# Altium PCB DCDCv1.1.PcbDoc (part 5 of 5)
Units mm, origin at the board's own origin, x right, y up, seen from the top; angles counter-clockwise.
Board outline 127.68 x 67.28 mm, 4 copper layers (Top Layer, GND1, GND2, Bottom Layer), stack 0.604 mm thick; 389 components, 257 nets, 1185 pads, 626 vias.
Unrouted connection lines stored in the file: 1.
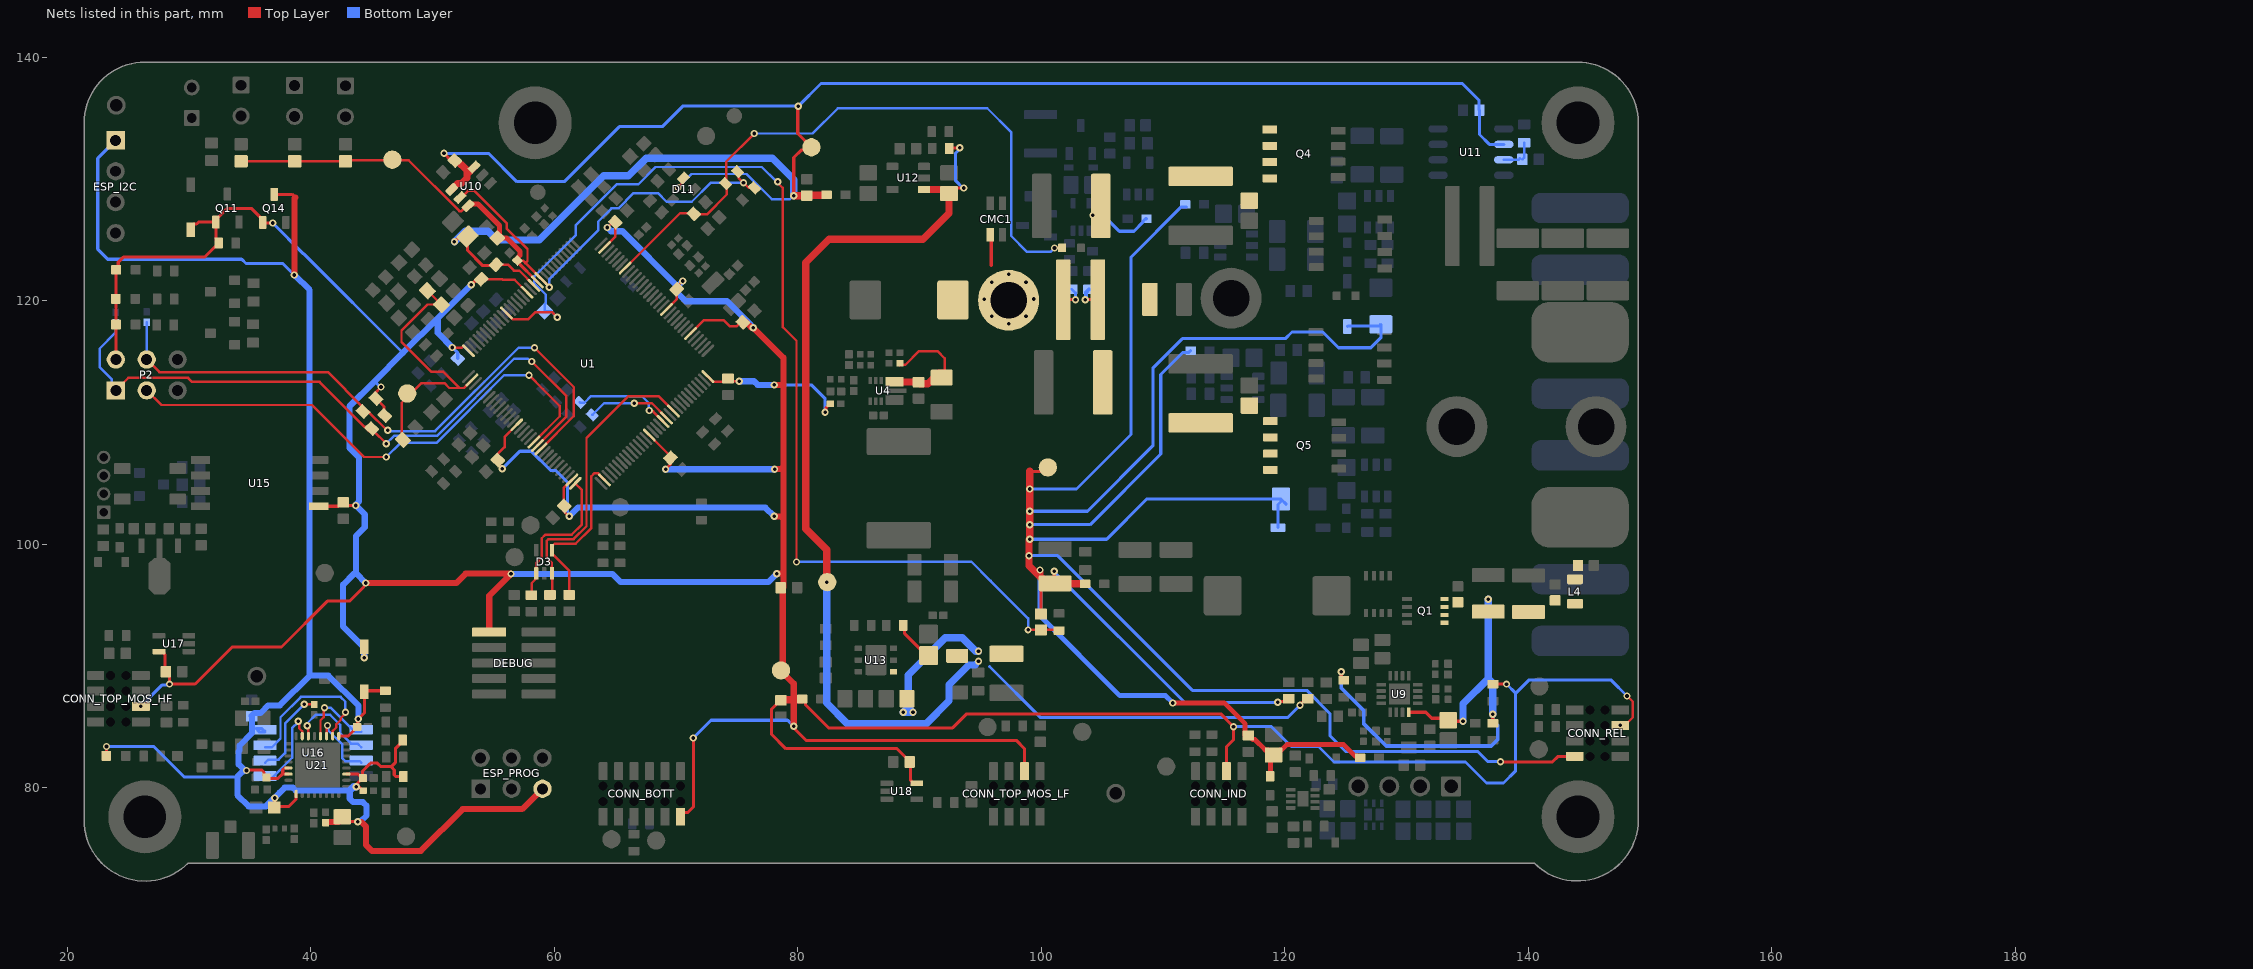
[diagram p7: the nets of this part, all layers, seen from the top]

## Via types
v1: diameter 0.6, hole 0.3, Top Layer to Bottom Layer, tented both sides, 563 vias
v2: diameter 0.6/0.6/0.6/0.6 (per signal layer), hole 0.3, Top Layer to Bottom Layer, tented both sides, 44 vias
v3: diameter 0.6, hole 0.3, Top Layer to Bottom Layer, 19 vias

## Nets (pads, with @x,y where several pads share a name; then routed paths per layer and width w, separated by ;. In a path a pad name is that pad's centre, name@x,y a point inside that pad or via, vN(x,y) a via of type N, cw(c..) or ccw(c..) an arc to the next point about the centre after c; other vN are vias at no path point) (continued)
OPAMP4_VOUT: C100.1 R2.1 R101.1 TP7.1 U1.66 | length 23.2
  Top Layer w0.2: R2.1@47.648,108.673 47.648,108.997 47.475,109.17 47.475,111.633 47.787,111.945 47.79,111.945 49.095,113.25 50.975,113.25 51.378,112.847 52.228,112.847 ; R101.1@49.332,120.838 R101.1@49.583,120.838 C100.1@50.714,119.706 ; C100.1@50.732,119.689 C100.1@50.714,119.706 ; U1.66@53.242,113.501 53.234,113.501 52.58,112.847 52.228,112.847 ; C100.1@50.714,119.706 49.598,119.706 47.455,117.563 47.455,116.633 49.913,114.175 50.9,114.175 52.228,112.847
OPAMP5_INP: C80.2 NTC2.2 R144.1 U1.25 | length 52.9
  Top Layer w0.2: U1.25@65.829,122.694 70.335,127.2 C80.2@71.075,127.2 ; C80.2@71.42,127.095 71.437,127.112 72.537,127.112 74.175,128.75 R144.1@74.175,129.475 ; R144.1@74.155,129.58 74.12,129.615 74.12,131.429 v1(76.44,133.75) ; v1(101.1,124.35) NTC2.2@101.725,124.35 101.725,124.325 NTC2.2@101.5,124.1
  Bottom Layer w0.2: v1(76.44,133.75) 81.225,133.75 83.3,135.825 95.575,135.825 97.525,133.875 97.525,125.35 98.85,124.025 100.775,124.025 v1(101.1,124.35)
REF_I_LLC: C111.2 R63.2 U11.7 | length 2.8
  Bottom Layer w0.203: U11.7@138,131.59 139.206,131.59 C111.2@139.325,131.709 ; C111.2@139.525,131.625 139.675,131.775 R63.2@139.675,133
SDIO_CLK: R93.1 U16.6 | length 7.5
  Top Layer w0.203: v1(39.475,86.875) 39.488,86.862 40.262,86.862 R93.1@40.275,86.85
  Bottom Layer w0.203: U16.6@36.25,82.065 36.512,82.327 37.362,82.327 37.896,82.861 37.896,85.296 v1(39.475,86.875)
SDIO_CMD: U16.1 U21.20 | length 6.3
  Top Layer w0.203: U21.20@40.8,84.25 40.8,85.555 41.049,85.804 41.049,86.499 v1(41.125,86.575)
  Bottom Layer w0.203: v1(41.125,86.575) 41.647,86.575 43.302,84.921 43.302,84.903 43.6,84.605 U16.1@44.15,84.605
SDIO_DATA0: U16.2 U21.22 | length 7.1
  Top Layer w0.203: v1(39.702,85.104) 39.702,84.997 39.799,84.9 39.799,84.251 U21.22@39.8,84.25
  Bottom Layer w0.203: v1@39.712,85.308 40.4,85.996 41.604,85.996 42.425,85.175 42.425,84.5 43.292,83.633 43.852,83.633 U16.2@44.15,83.335
SDIO_DATA1: U16.5 U21.23 | length 7.5
  Top Layer w0.203: v1(38.977,85.479) 39.053,85.403 39.053,84.889 39.291,84.651 39.291,84.259 U21.23@39.3,84.25
  Top Layer w0.254: U21.23@39.298,84.252 U21.23@39.3,84.25 U21.23@39.298,84.252
  Bottom Layer w0.203: U16.5@36.25,80.795 36.8,80.795 38.475,82.47 38.475,84.923 38.977,85.425 v1(38.977,85.479)
SDIO_DATA2: U16.7 U21.18 | length 12.8
  Top Layer w0.203: U21.18@41.8,84.25 41.809,84.259 41.809,84.684 42.1,84.975 42.1,85.225 42.463,85.588 42.463,85.732 42.85,86.119 v1(42.85,86.2)
  Bottom Layer w0.203: U16.7@36.25,83.335 36.8,83.335 37.515,84.05 37.515,85.798 39.192,87.475 42.45,87.475 42.85,87.075 v1(42.85,86.2)
SDIO_DATA3: U16.3 U21.19 | length 5.8
  Top Layer w0.203: U21.19@41.3,84.25 41.3,84.937 41.379,85.016 v1(41.379,85.123)
  Bottom Layer w0.203: v1(41.379,85.123) 41.455,85.048 41.455,84.695 42.6,83.55 42.6,82.425 42.839,82.186 44.029,82.186 U16.3@44.15,82.065
SPI1_MISO: P2.1 R42.2 R105.1 U1.85 | length 55.5
  Top Layer w0.203: P2.1@23.985,112.65 25.01,113.675 26.43,113.675 cw(c26.525,112.65) 26.62,113.675 28.97,113.675 cw(c29.065,112.65) 29.16,113.675 29.925,113.675 30.25,113.35 ; 30.257,113.35 40.722,113.35 44.42,109.652 44.465,109.652 44.831,109.286 45.189,109.286 v1(46.2,108.275) ; v1(58.15,115.025) 61,112.175 61,110.511 U1.85@58.616,108.127
  Bottom Layer w0.203: R105.1@23.975,118.225 23.975,117.4 22.65,116.075 22.65,114.575 23.639,113.586 23.639,112.996 P2.1@23.985,112.65 ; v1(46.2,108.275) 46.844,108.919 50.378,108.919 56.709,115.25 57.833,115.25 58.058,115.025 v1(58.15,115.025)
SPI1_MOSI: P2.4 R1.2 R88.1 U1.86 | length 51.1
  Top Layer w0.203: P2.4@26.525,115.19 27.565,114.15 41.4,114.15 44.295,111.255 R1.2@44.295,110.92 44.706,110.92 46.251,109.375 v1(46.325,109.375) ; v1(58.375,116.15) 61.6,112.925 61.6,110.545 U1.86@58.899,107.845
  Bottom Layer w0.203: P2.4@26.525,115.19 R88.1@26.525,118.25 ; v1(46.325,109.375) 46.4,109.3 50.22,109.3 57.07,116.15 v1(58.375,116.15)
SPI1_SCK: P2.3 U1.84 | length 43.9
  Top Layer w0.203: P2.3@26.525,112.65 27.725,111.45 40.1,111.45 44.371,107.179 v1(46.2,107.179) ; v1(57.925,113.9) 59.096,112.729 60.45,111.375 60.45,110.527 U1.84@58.333,108.41
  Bottom Layer w0.203: v1(46.2,107.179) 47.363,108.342 50.34,108.342 55.898,113.9 v1(57.925,113.9)
SWCLK: D3.4 R59.2 U1.98 | length 14.3
  Top Layer w0.2: R59.2@61.225,95.925 R59.2@61.45,96.15
  Top Layer w0.203: R59.2@61.225,95.925 61.225,97.85 59.825,99.25 59.825,99.85 60.025,100.05 61.75,100.05 63.05,101.35 63.05,105.6 63.275,105.825 63.599,105.825 64.125,105.299 U1.98@64.132,105.299
SWDIO: D3.1 R57.2 U1.96 | length 12.3
  Top Layer w0.2: R57.2@58.125,95.9 58.151,95.926 58.151,96.826 58.525,97.2 D3.1@58.525,97.625 58.525,97.675 58.533,97.683 58.533,98.48 58.978,98.925 58.978,100.503 59.25,100.775 59.341,100.775 59.373,100.807 61.436,100.807 62.272,101.643 62.272,104.471 U1.96@61.728,105.016
SWO: D3.3 R113.2 U1.118 | length 24.7
  Top Layer w0.2: R113.2@59.65,95.925 59.825,96.1 D3.3@59.825,97.625 59.799,97.651 59.799,98.501 59.553,98.747 59.55,98.747 59.372,98.925 59.372,100.272 59.525,100.425 59.863,100.425 59.868,100.429 61.593,100.429 62.65,101.487 62.65,108.725 66.1,112.175 68.569,112.175 U1.118@69.789,110.956
USART2_RX_STM32: R128.2 U1.116 | length 7
  Top Layer w0.203: v1(66.575,111.597) 68.016,111.597 U1.116@69.223,110.39
  Bottom Layer w0.203: R128.2@63.12,110.645 63.145,110.645 64.097,111.597 v1(66.575,111.597)
USART2_TX_STM32: R127.2 U1.115 | length 8.3
  Top Layer w0.203: v1(67.797,110.997) 67.873,110.921 68.126,110.921 U1.115@68.94,110.107
  Bottom Layer w0.203: R127.2@62.095,111.67 62.129,111.636 62.48,111.636 63.02,112.177 67.19,112.177 67.765,111.602 67.765,111.029 v1(67.797,110.997)
V_3A: C66.2 C69.2 C85.2 C108.2 C110.2 D11.2 FB3.2 TP6.1 U1.45 U10.3 U10.4 U11.6 | length 166.1
  Top Layer w0.203: C108.2@55.222,122.977 56.191,122.977 56.679,122.489 57.124,122.489 U1.45@58.333,121.28 ; v1(70.16,129.323) 70.602,129.765 D11.2@70.602,130.083
  Top Layer w0.254: v1(50.95,132.125) 51.548,131.527 C66.2@51.827,131.527 ; v1(51.8,124.85) 51.828,124.85 52.277,125.299 C85.2@52.876,125.299 ; C85.2@52.889,125.275 52.889,124.137 54.125,122.9 54.583,122.9 54.724,122.9 54.765,122.941 54.807,122.9 C108.2@55.025,122.9 ; v1(79.675,128.65) 79.675,131.775 80.287,132.387 80.549,132.387 80.775,132.612 TP6.1@80.775,132.85 ; v1(80.05,136) 80,135.95 80,133.75 TP6.1@81.125,132.625
  Top Layer w0.6: U10.4@51.581,129.164 52.058,129.641 52.38,129.641 52.836,130.097 52.836,130.419 52.886,130.469 ; C66.2@51.863,131.492 52.039,131.492 52.335,131.197 52.38,131.197 52.836,130.741 52.836,130.519 52.886,130.469 ; U10.3@53.419,131.002 52.886,130.469 ; v1(79.675,128.65) C69.2@80.75,128.65 80.788,128.687 82.337,128.687 FB3.2@82.375,128.725
  Bottom Layer w0.203: v1(70.16,129.323) 71.262,130.425 75.8,130.425 77.875,128.35 79.358,128.35 79.658,128.65 v1(79.675,128.65)
  Bottom Layer w0.254: v1(50.95,132.125) 54.6,132.125 56.925,129.8 60.825,129.8 65.345,134.32 68.87,134.32 70.55,136 v1(80.05,136) 81.913,137.863 134.587,137.863 135.9,136.55 135.95,136.5 135.95,135.725 C110.2@136,135.675 136,133.675 136.815,132.86 U11.6@138,132.86
  Bottom Layer w0.6: v1(51.8,124.85) 52.684,125.734 54.554,125.734 55.289,125 58.775,125 64.05,130.275 66.1,130.275 67.55,131.725 77.925,131.725 79.675,129.975 v1(79.675,128.65)
V_3V3D: 3V3D.2 C31.2 C32.2 C45.2 C47.2 C48.2 C51.2 C52.2 C73.2 C87.2 C103.2 C104.2 C105.2 C107.2 C109.2 CONN_BOTT.1 CONN_IND.4 CONN_REL.6 CONN_TOP_MOS_HF.4 CONN_TOP_MOS_LF.4 D12.1 D14.1 DC/AC.2 DC/DC.2 DEBUG.1 FB4.2 P2.2 Q11.1 Q14.1 R1.1 R4.1 R41.2 R42.1 R118.2 TP8.1 U1.6 U1.13 U1.31 U1.47 U1.64 U1.79 U1.95 U1.111 U1.128 U15.1 U17.5 U18.5 | length 437
  Top Layer w0.203: v1(51.631,116.173) 51.644,116.16 52.404,116.16 52.546,116.302 52.563,116.302 U1.64@52.959,115.906 ; C109.2@54.002,121.792 54.46,121.792 54.495,121.828 54.53,121.792 55.729,121.792 55.795,121.725 56.275,121.725 56.756,121.725 U1.47@57.768,120.714 ; C104.2@55.352,106.927 55.352,107.415 55.925,107.987 55.925,108.83 U1.79@56.919,109.824 ; v1(61.225,102.3) 60.777,102.748 60.777,104.625 61.445,105.292 U1.95@61.445,105.299 ; U1.31@64.132,124.391 65,125.259 65,125.922 65.058,125.98 65,126.038 C107.2@65,126.07 ; v1(64.358,126.034) 64.817,126.494 C107.2@65.023,126.494 ; U1.111@67.809,108.976 69.545,107.239 C48.2@69.545,107.105 ; U1.13@69.223,119.3 70.073,120.15 70.073,120.424 70.037,120.46 70.073,120.495 C45.2@70.073,120.952 ; C45.2@70.073,121.132 70.073,121.157 v1(70.548,121.632) ; U1.6@71.203,117.32 72.312,118.429 73.915,118.429 74.444,117.9 74.982,117.9 75.329,118.248 C103.2@75.498,118.248 ; U1.128@72.617,113.784 72.624,113.784 73.058,113.35 74,113.35 C32.2@74.275,113.625 74.5,113.4 v1(75.196,113.4) ; v1(147.57,85.135) 147.935,85.135 148.6,85.8 148.6,87.075 v1(148.125,87.55)
  Top Layer w0.254: P2.2@23.985,115.19 P2.2@23.985,115.527 ; DC/DC.2@23.985,118.096 P2.2@23.985,115.527 ; DC/DC.2@23.998,118.066 24.004,118.072 24.004,122.544 3V3D.2@24.01,122.55 24.183,122.723 24.183,123.173 24.61,123.6 31.275,123.6 R4.1@32.425,124.75 32.425,124.85 32.2,125.075 Q11.1@32.2,126.475 ; P2.2@24.498,115.425 24.396,115.527 P2.2@23.985,115.527 ; U17.5@27.525,91.2 27.825,91.2 27.923,91.102 27.923,91.054 28.024,90.953 28.024,90.462 ; 28.025,90.461 28.025,89.55 28.027,89.55 28.4,89.177 v1(28.4,88.525) 30.5,88.525 33.55,91.575 37.6,91.575 41.359,95.334 43.179,95.334 44.37,96.525 44.37,96.576 44.525,96.731 v1(44.525,96.825) ; D14.1@30.15,125.85 30.15,126.1 30.373,126.323 30.623,126.323 30.775,126.475 Q11.1@32.2,126.475 ; v1(36.878,126.403) 36.097,126.403 Q14.1@36.05,126.45 36.05,126.675 35.125,127.6 33.145,127.6 32.418,126.873 32.373,126.873 32.2,126.7 Q11.1@32.2,126.475 ; U15.1@40.643,103.129 42.277,103.13 42.521,103.374 42.521,103.604 C87.2@42.675,103.45 42.925,103.2 v1(43.7,103.2) ; v1(44.4,90.7) D12.1@44.4,91.6 ; v1(45.775,112.925) 45.286,112.436 45.286,112.05 R1.1@45.355,111.98 46.01,111.326 46.01,110.651 R42.1@46.08,110.58 ; v1(53.175,121.325) 53.642,121.792 C109.2@54.002,121.792 ; C104.2@55.352,106.927 55.352,106.666 55.724,106.295 v1(55.724,106.201) ; v1(69.148,106.177) 69.545,106.575 C48.2@69.545,107.105 ; CONN_BOTT.1@70.375,77.63 70.375,77.734 70.618,77.977 70.977,77.977 71.425,78.425 v1(71.425,84.1) ; C73.2@78.5,87.125 77.845,86.47 77.845,84.405 79.025,83.225 88.15,83.225 89.25,82.125 89.275,82.125 89.275,80.625 89.377,80.523 89.377,80.473 89.475,80.375 U18.5@89.775,80.375 ; v1@79.65,84.925 80.675,83.9 97.95,83.9 98.635,83.215 CONN_TOP_MOS_LF.4@98.635,81.37 ; FB4.2@80.2,87.25 80.325,87.25 80.477,87.25 80.65,87.077 80.65,86.8 82.525,84.925 92.725,84.925 93.875,86.075 114.75,86.075 ; v1(82.25,110.85) 82.316,110.916 82.316,111.201 82.659,111.544 R41.2@82.684,111.544 ; 114.825,86 114.75,86.075 ; CONN_IND.4@115.235,81.37 115.23,81.375 115.23,83.38 115.8,83.95 v1(115.8,85.025) 114.75,86.075 ; R118.2@137.1,88.525 v1(138.225,88.525)
  Top Layer w0.508: v1(44.525,96.825) 51.95,96.825 52.725,97.6 55.896,97.6 55.903,97.593 56.432,97.593 v1(56.45,97.575) 54.655,95.78 DEBUG.1@54.655,92.79 ; C103.2@75.51,118.26 75.727,118.26 76.17,117.818 76.332,117.818 v1(76.35,117.8) ; v1@76.362,117.813 78.825,115.35 78.825,102.1 ; v1(78.075,102.3) 78.625,102.3 78.825,102.1 ; v1(78.075,113.1) 78.625,113.1 ; v1(78.1,106.177) 78.118,106.195 78.595,106.195 78.625,106.225 ; v1(78.275,97.6) 78.825,97.6 ; C105.2@78.6,96.45 78.6,96.4 78.775,96.225 78.775,89.8 TP8.1@78.625,89.65 78.625,89.612 79.675,88.562 79.675,87.25 ; C105.2@78.825,96.45 78.825,97.6 ; v1(79.675,85.05) 79.675,87.029 ; 78.825,97.6 78.825,102.1
  Top Layer w0.6: C73.2@78.625,87.2 78.675,87.25 79.675,87.25 FB4.2@80.2,87.25 ; FB4.2@80.325,87.25 FB4.2@80.375,87.3
  Bottom Layer w0.254: v1(26.045,86.69) 27.814,88.459 28.334,88.459 v1(28.4,88.525) ; v1(36.878,126.403) 39.395,123.886 39.414,123.886 47.574,115.726 ; 45.237,113.388 45.7,112.925 v1(45.775,112.925) ; v1(51.631,116.173) 52.073,115.731 C31.2@52.073,115.273 ; v1(55.724,106.201) 57.172,107.65 58.125,107.65 59.7,106.075 60.125,106.075 61.09,105.11 61.09,102.529 61.225,102.394 v1(61.225,102.3) ; v1(71.425,84.1) 72.88,85.555 79.17,85.555 v1(79.675,85.05) ; v1(78.075,113.1) 81.125,113.1 82.25,111.975 v1(82.25,110.85) ; v1(115.8,85.025) 118.925,85.025 120.55,83.4 122.775,83.4 124.05,82.125 134.85,82.125 136.575,80.4 137.975,80.4 138.975,81.4 138.975,87.775 ; v1(138.225,88.525) 138.975,87.775 ; v1(148.125,87.55) 146.825,88.85 140.05,88.85 138.975,87.775
  Bottom Layer w0.508: 43.552,97.598 42.657,96.703 42.657,93.243 44.4,91.5 v1(44.4,90.7) ; v1(44.525,96.825) 43.725,97.625 43.725,100.7 44.432,101.407 44.432,102.468 v1(43.7,103.2) 43.7,103.225 43.746,103.271 43.746,103.311 43.95,103.515 43.95,107.15 43.175,107.925 43.175,111.327 45.237,113.388 47.574,115.726 50.425,118.577 ; v1(51.631,116.173) 50.425,117.379 50.425,118.577 ; v1(53.175,121.325) 53.173,121.325 50.425,118.577 ; v1(56.45,97.575) 56.468,97.557 v1@56.533,97.557 ; v1@56.533,97.557 64.793,97.557 65.45,96.9 77.575,96.9 v1(78.275,97.6) ; v1(61.225,102.3) 61.95,103.025 77.35,103.025 v1(78.075,102.3) ; v1(64.358,126.034) 64.675,125.717 65.608,125.717 70.12,121.205 ; v1(69.148,106.177) v1(78.1,106.177) ; v1(70.548,121.632) 70.12,121.205 ; v1(75.196,113.4) 76.41,113.4 76.71,113.1 v1(78.075,113.1) ; v1@76.175,118 74.2,119.975 70.8,119.975 69.845,120.93 70.12,121.205
V_3V3D_ESP: C92.2 C114.2 C120.2 C121.2 C122.2 C123.2 D12.2 ESP_I2C.1 ESP_PROG.5 FB7.1 Q14.3 R82.2 R102.1 R123.2 R124.2 U16.8 U21.1 U21.11 U21.17 U21.29 U21.30 Wi-Fi.2 | length 165.5
  Top Layer w0.254: Wi-Fi.2@23.2,82.625 23.213,82.638 23.213,83.388 v1(23.225,83.4) ; v1(34.721,81.422) 34.774,81.475 35.951,81.475 36.152,81.274 36.152,81.043 C121.2@36.345,80.85 ; C121.2@36.365,80.85 C121.2@36.345,80.85 ; C120.2@37,78.375 37.184,78.559 37.184,78.632 37.158,78.632 37.041,78.748 v1(37.041,79.172) ; Q14.3@37,128.75 38.475,128.75 38.725,128.5 ; C120.2@37.245,78.557 37.332,78.47 38.191,78.47 38.8,79.079 U21.1@38.8,79.5 ; U21.30@38.175,81.125 37.959,81.125 37.957,81.123 37.648,81.123 ; U21.29@38.175,81.625 38.174,81.624 37.849,81.624 37.7,81.475 37.7,81.175 37.648,81.123 ; U21.17@42.3,84.25 43.06,84.25 43.597,84.787 43.597,84.807 43.79,85 C122.2@43.81,85 43.858,85.048 43.858,85.61 v1(43.906,85.658) ; C92.2@42.6,77.625 43,77.225 v1(43.85,77.225) ; U21.11@42.925,81.125 43.89,81.125 C123.2@44.09,80.925 ; v1@43.925,85.575 43.925,85.677 44.4,86.152 D12.2@44.4,87.9 44.475,87.975 R124.2@46.125,87.975 ; C123.2@44.13,80.84 44.252,80.962 44.252,81.369 44.854,81.971 44.871,81.971 44.93,82.03 45.47,82.03 45.73,81.77 46.645,81.77 46.945,82.07 46.945,83.22 47.55,83.825 R123.2@47.55,83.925 ; R82.2@44.3,79.775 44.275,79.775 44.024,80.026 43.813,80.026 v1(43.747,80.092) 43.759,80.105 43.759,80.294 C123.2@44.305,80.84 ; 46.645,81.68 46.855,81.471 46.855,81.074 47.004,80.925 R102.1@47.6,80.925 ; C121.2@36.345,80.85 36.42,80.775 37.3,80.775 37.648,81.123
  Top Layer w0.5: v1(38.65,122.125) 38.65,122.152 38.678,122.18 38.678,128.453 38.725,128.5 ; v1@43.896,77.206 44.151,77.206 44.553,76.804 44.553,75.297 45.028,74.822 49.047,74.822 52.475,78.25 57.365,78.25 ESP_PROG.5@59.04,79.925
  Top Layer w0.508: FB7.1@41.225,77.146 41.225,77.168 41.257,77.2 42.273,77.2 C92.2@42.377,77.304 ; C92.2@42.229,77.254 C92.2@42.6,77.625
  Bottom Layer w0.254: v1(23.225,83.4) 27.1,83.4 29.624,80.876 33.972,80.876 34.095,80.876 ; ESP_I2C.1@23.975,133.19 22.5,131.715 22.5,124.25 23.325,123.425 34.325,123.425 34.675,123.075 37.7,123.075 v1(38.65,122.125) ; v1@34.449,81.403 v1@34.702,81.403 ; v1@34.529,81.23 v1@34.702,81.403 ; v1(34.721,81.422) v1@34.702,81.403 ; U16.8@35.498,84.878 35.771,84.605 36.25,84.605 35.977,84.878 U16.8@35.498,84.878
  Bottom Layer w0.5: v1@34.449,81.403 33.972,80.926 33.972,80.876 33.972,79.399 34.899,78.472 36.315,78.472 37.014,79.172 v1(37.041,79.172) ; v1@34.56,81.441 34.074,81.928 34.074,82.995 34.153,83.074 34.153,83.478 35.168,84.493 35.168,85.907 35.15,85.925 35.375,86.15 35.879,86.15 36.504,86.775 37.45,86.775 39.9,89.225 ; v1@37.041,79.184 37.041,79.199 37.435,79.592 37.435,79.599 37.861,80.025 38.52,80.025 38.76,79.785 43.215,79.785 43.2,79.77 43.2,79.118 43.493,78.825 44.285,78.825 44.578,78.532 44.578,77.724 44.098,77.244 43.869,77.244 v1(43.85,77.225) ; v1(38.65,122.125) 38.675,122.125 39.9,120.9 39.9,89.225 ; v1(43.906,85.658) 43.906,86.768 41.449,89.225 39.9,89.225
  Bottom Layer w0.6: 43.215,79.785 43.523,80.092 v1(43.747,80.092)
V_5: C18.2 C44.2 C71.2 C97.2 FB6.2 R52.2 R66.2 R71.2 TP5.1 U12.1 U13.4 | length 120.4
  Top Layer w0.254: R52.2@88.675,93.35 88.782,93.243 88.782,92.668 FB6.2@90.2,91.25 ; C44.2@92.425,128.825 92.875,129.275 v1(93.65,129.275) ; R71.2@92.45,132.525 92.497,132.572 v1(93.3,132.572) ; C18.2@97.177,91 C18.2@97.725,90.452 ; v1(121.26,86.798) 121.26,86.82 121.809,87.369 R66.2@121.884,87.369
  Top Layer w0.6: v1(82.375,96.9) 82.375,99.55 80.65,101.275 80.65,123.15 82.575,125.075 90.3,125.075 92.425,127.2 C44.2@92.425,128.825 92.1,129.15 U12.1@90.375,129.15 ; FB6.2@90.75,90.974 FB6.2@90.75,91.35
  Bottom Layer w0.254: v1(93.3,132.572) 93.3,132.479 92.97,132.149 92.97,129.874 93.57,129.275 v1(93.65,129.275) ; 95.766,89.959 95.798,89.927 99.955,85.77 120.232,85.77 v1(121.26,86.798)
  Bottom Layer w0.6: v1(82.375,96.9) 82.375,86.975 84.075,85.275 90.55,85.275 92.425,87.15 92.425,88.475 94.05,90.1 94.55,90.1 94.575,90.125 ; v1(94.85,91.225) 94.625,91.225 93.525,92.325 92.125,92.325 89.075,89.275 89.075,86.6 ; 89.075,86.6 v1(89.475,86.2) v1(88.675,86.2) 89.075,86.6
  other v1: 94.85,90.4
V_12: C19.2 C20.2 C33.2 C61.2 C88.1 C98.2 C124.2 CONN_REL.1 D1.1 D2.1 FB2.2 FB8.1 FB9.2 FB18.2 FB19.2 R10.2 R46.2 R78.2 TP10.1 U4.1 | length 267.1
  Top Layer w0.203: R46.2@88.394,114.716 88.433,114.755 88.855,114.755 89.975,115.875 91.475,115.875 92.075,115.275 92.075,114.325 C33.2@91.825,114.075
  Top Layer w0.254: 99.05,106 99.888,106 100.213,106.325 TP10.1@100.55,106.325 ; R78.2@99.975,94.275 99.975,96.277 100.498,96.8 C124.2@101.15,96.8 101.075,96.875 v1(101.075,97.806) ; FB8.1@118.8,80.95 FB8.1@118.825,80.975 ; v1(119.425,87.025) 119.519,87.025 119.59,87.096 120.086,87.096 R10.2@120.359,87.369 ; v1(137.725,82.15) 137.755,82.12 141.995,82.12 142.463,82.588 143.823,82.588 CONN_REL.1@143.83,82.595
  Top Layer w0.4: v1(99.9,97.9) 99.9,97.846 100,97.746 100,97.25 C124.2@100.275,97.25 ; v1(110.8,86.975) 115.025,86.975 116.75,85.25 C98.2@116.75,84.3 ; C98.2@117.025,84.25 117.125,84.25 117.4,83.975 117.55,83.975 118.4,83.125 118.675,83.125 C88.1@119.1,82.7 118.85,82.45 FB8.1@118.85,80.932 ; C88.1@119.1,82.6 119.625,83.125 119.75,83.125 120.2,83.575 124.825,83.575 125.775,82.625 125.975,82.625 126.026,82.574 FB9.2@126.026,82.374
  Top Layer w0.6: U4.1@87.966,113.419 88.038,113.347 89.903,113.347 90.05,113.2 90.65,113.2 90.7,113.2 91.575,114.075 91.825,114.075 C33.2@92.075,114.075 ; 99.05,106 v1(99.05,104.55) v1(99.05,102.725) v1(99.05,101.625) v1(99.05,100.425) 99,100.375 99,98.25 100.45,96.8 C124.2@100.498,96.8 ; C124.2@101.15,96.8 101.175,96.775 103.6,96.775 FB2.2@103.625,96.75
  Bottom Layer w0.254: v1(99,99.077) 101.348,99.077 112.419,88.006 116.124,88.006 116.128,88.011 121.814,88.011 123.725,86.1 123.725,84.275 125.019,82.981 135.869,82.981 136.7,82.15 v1(137.725,82.15) ; v1(99.05,100.425) 105.375,100.425 108.675,103.725 C19.2@119.7,103.725 ; v1(99.05,101.625) 104.025,101.625 109.825,107.425 109.825,113.95 111.65,115.775 112.125,115.775 FB19.2@112.275,115.925 ; v1(99.05,102.725) 103.8,102.725 109.175,108.1 109.175,114.475 111.6,116.9 120.05,116.9 120.6,117.45 123.125,117.45 124.425,116.15 127.075,116.15 127.9,116.975 C20.2@127.9,118.075 127.768,117.943 125.193,117.943 D1.1@125.15,117.9 ; v1(99.05,104.55) 102.9,104.55 107.375,109.025 107.375,123.6 111.477,127.702 111.903,127.702 FB18.2@111.926,127.725 ; v1(101.075,97.806) 101.075,97.725 111.775,87.025 v1(119.425,87.025) ; D2.1@119.45,101.375 119.45,103.275 119.7,103.525 C19.2@119.7,103.725 ; C19.2@120.125,103.3 C19.2@119.7,103.725
  Bottom Layer w0.4: v1@99.9,97.887 99.9,94.125 106.45,87.575 110.212,87.575 110.8,86.987 v1(110.8,86.975)
V_12_MON: C49.2 R78.1 R79.2 U1.53 | length 90.4
  Top Layer w0.2: R78.1@99.975,92.975 R78.1@99.979,92.971 ; R79.2@101.404,92.971 R79.2@101.45,92.925
  Top Layer w0.203: U1.53@56.071,119.017 56.078,119.017 56.619,118.475 57.85,118.475 58.45,119.075 59.825,119.075 v1(60.25,118.65) ; v1(78.35,129.8) 78.35,129.708 78.775,129.283 78.775,117.85 79.9,116.725 v1(79.9,98.55) ; v1(98.925,92.975) R78.1@99.975,92.975 ; R78.1@99.979,92.971 R79.2@101.404,92.971
  Bottom Layer w0.203: v1(60.25,118.65) 60.241,118.65 59.721,119.17 C49.2@59.22,119.17 59.22,119.733 59.307,119.821 59.307,120.512 58.375,121.444 58.375,122.025 61.775,125.425 61.775,126.225 65.125,129.575 66.9,129.575 68.325,131 77.05,131 78.25,129.8 v1(78.35,129.8) ; v1(79.9,98.55) 79.925,98.575 94.275,98.575 95.85,97 98.925,93.925 v1(98.925,92.975)
V_PV: C2.2 C5.2 C9.2 C10.2 C10a.2 C11.2 C25.2 C128.2 FB1.1 L4.2 Q4.5 Q4.6 Q4.7 Q4.8 Q5.5 Q5.6 Q5.7 Q5.8 R8.2 R28.1 | length 7.4
  Top Layer w0.254: v1(103.625,120.1) R8.2@104.658,120.1
  Bottom Layer w0.254: v1(104.25,127.025) 105.125,127.025 106.425,125.725 107.625,125.725 108.352,126.452 108.352,126.527 108.575,126.75 FB1.1@108.65,126.75
  Bottom Layer w0.3: v1(103.625,120.1) 103.682,120.157 103.682,120.7 103.932,120.95 R28.1@103.95,120.95
V_PV_BUCK12: C1.2 C36.2 C37.2 C38.2 C125.2 L4.1 Q1.5 Q1.6 Q1.7 Q1.8 R7.1 R19.2 U9.16 | length 39.5
  Top Layer w0.3: v1(124.656,89.534) 124.656,89.034 R7.1@124.856,88.834 ; U9.16@130.181,86.209 131.591,86.209 132.075,85.725 133.35,85.725 C1.2@133.488,85.587 ; C1.2@133.45,85.55 133.524,85.476 v1(134.65,85.476) ; R19.2@137.106,85.309 v1(137.106,86.059)
  Bottom Layer w0.3: v1(124.656,89.534) 124.656,88.194 126.484,86.366 126.484,85.291 128.339,83.436 136.961,83.436 137.5,83.975 137.5,85.125 137.106,85.519 v1(137.106,86.059)
  Bottom Layer w0.6: v1(134.65,85.476) 134.65,86.9 136.725,88.975 ; v1(136.725,95.5) 136.725,88.975 ; v1(137.106,86.059) 137.106,88.594 136.725,88.975
V_PVin: CMC1.1 D0.2 PV+.1 R8.1 R25.1 | length 7
  Top Layer w0.254: CMC1.1@95.825,125.425 95.9,125.35 95.9,122.9 ; R8.1@101.808,120.1 v1(102.825,120.1)
  Bottom Layer w0.203: PV+.1@97.325,119.775 PV+.1@97.325,122.182 ; R25.1@102.5,120.95 102.527,120.95 R25.1@102.825,120.652
  Bottom Layer w0.254: v1(102.825,120.1) R25.1@102.825,120.652
  other v1: 97.35,118.118 95.953,118.753 98.747,118.753 95.318,120.15 99.378,120.16 95.953,121.547 98.747,121.547 97.35,122.182
VREF: C62.2 C65.2 R141.2 R142.2 R143.2 R144.2 R145.2 TP9.1 U1.43 U1.44 U10.5 U10.6 | length 66.1
  Top Layer w0.203: R143.2@34.28,131.47 R142.2@38.675,131.47 ; R142.2@38.63,131.472 42.808,131.472 R141.2@42.83,131.45 ; R141.2@42.85,131.47 42.93,131.55 48.045,131.55 52.214,127.382 52.382,127.382 52.82,127.82 U10.6@52.924,127.82 ; U10.5@52.5,128.633 52.906,129.04 53.437,129.04 56.088,126.388 56.088,125.964 57.803,124.249 57.803,123.269 57.644,123.11 ; 57.634,123.11 57.644,123.1 ; R144.2@75.145,130.57 75.145,130.109 75.55,129.704 v1(75.55,129.7) 75.566,129.7 75.971,129.295 R145.2@76.445,129.295
  Top Layer w0.229: C62.2@56.965,123.214 U1.44@58.616,121.562 ; C62.2@57.057,123.305 57.439,123.305 57.634,123.11 ; 57.644,123.1 U1.43@58.899,121.845 v1@59.61,121.135
  Top Layer w0.4: U10.6@52.924,127.82 53.065,127.962 53.741,127.962 55.505,126.198 55.505,125.593 55.364,125.451 C65.2@55.364,125.133 ; C65.2@55.399,125.169 C65.2@55.505,125.169 ; C65.2@55.465,124.956 55.505,124.996 55.505,125.133 C65.2@55.505,125.169 ; C62.2@56.951,123.334 56.951,123.503 57.187,123.74 57.187,124.084 56.103,125.169 C65.2@55.505,125.169
  Top Layer w0.6: R141.2@42.83,131.45 R141.2@42.85,131.47
  Bottom Layer w0.203: v1(59.6,121.125) 59.6,121.8 63.6,125.8 63.6,126.5 64.7,127.6 65.275,127.6 66.525,128.85 68.525,128.85 69.233,128.142 71.292,128.142 72.85,129.7 v1(75.55,129.7)
pads on no net: CMC1.0 CONN_BOTT.13 CONN_BOTT.14 CONN_BOTT.15 CONN_BOTT.16 CONN_BOTT.17 CONN_BOTT.18 CONN_BOTT.19 CONN_BOTT.20 CONN_BOTT.21 CONN_BOTT.22 CONN_BOTT.23 CONN_BOTT.24 CONN_IND.9 CONN_IND.10 CONN_IND.11 CONN_IND.12 CONN_IND.13 CONN_IND.14 CONN_IND.15 CONN_IND.16 CONN_REL.9 CONN_REL.10 CONN_REL.11 CONN_REL.12 CONN_REL.13 CONN_REL.14 CONN_REL.15 CONN_REL.16 CONN_TOP_MOS_HF.1 CONN_TOP_MOS_HF.9 CONN_TOP_MOS_HF.10 CONN_TOP_MOS_HF.11 CONN_TOP_MOS_HF.12 CONN_TOP_MOS_HF.13 CONN_TOP_MOS_HF.14 CONN_TOP_MOS_HF.15 CONN_TOP_MOS_HF.16 CONN_TOP_MOS_LF.1 CONN_TOP_MOS_LF.9 CONN_TOP_MOS_LF.10 CONN_TOP_MOS_LF.11 CONN_TOP_MOS_LF.12 CONN_TOP_MOS_LF.13 CONN_TOP_MOS_LF.14 CONN_TOP_MOS_LF.15 CONN_TOP_MOS_LF.16 DEBUG.8 L4.0 R98.0 R100.0 T2.1 T2.2 T2.4 T2.5 T2.7 T2.8 U1.7 U1.14 U1.15 U1.16 U1.17 U1.18 U1.26 U1.49 U1.51 U1.52 U1.55 U1.60 U1.82 U1.93 U1.103 U1.104 U1.105 U1.106 U2.0 U3.0 U6.0 U6.1 U6.2 U7.0 U8.0 U10.0 U11.0 U11.3 U11.4 U12.0 U13.5 U21.5

## Polygon pours and split planes (outlines as drawn)
V_5 on Top Layer "NONET_L-01_P-001" (solid, remove dead copper, pour order 161): 98.55,91.65 98.55,90.3 97.425,89.175 90.95,89.175 89.975,90.15 89.975,91.65
NetC8_2 on Top Layer "NONET_L-01_P-001" (solid, remove dead copper, pour order 134): 85.65,101.838 91.425,101.838 91.425,93.525 90.75,93.525 85.65,98.625
V_12 on Top Layer "NONET_L-01_P-001" (solid, remove dead copper, pour order 130): 100.225,98.1 99.375,98.95 99.375,108.125 93.125,114.375 87.875,114.375 87.225,113.725 87.225,112.625 92.45,112.625 92.962,112.638 97.975,107.625 97.975,98.175 99.873,96.277 100.225,96.277
GND on Top Layer "NONET_L-01_P-001" (solid, pour order 140): 121.05,80.85 121.975,80.85 121.95,80.825 121.95,77.5 121.05,77.5
isoGND on Top Layer "NONET_L-01_P-001" (solid, remove dead copper, pour order 124): 21.625,95.825 ccw(c21.9,95.825) 21.9,95.55 31.525,95.55 ccw(c31.525,95.825) 31.8,95.825 31.8,108.5 ccw(c31.45,108.5) 31.45,108.85 21.9,108.85 ccw(c21.9,108.575) 21.625,108.575
NetC12_1 on Top Layer "NONET_L-01_P-001" (solid, remove dead copper, pour order 143): 124.75,78.225 124.75,76.1 130.325,76.1 131.225,77 131.225,78.65 130.794,79.081 129.6,79.081 128.744,78.225
NetC106_1 on Top Layer "NONET_L-01_P-001" (solid, remove dead copper, pour order 142): 129.125,81.013 129.525,80.613 129.525,79.263 128.662,78.4 125.95,78.4 124.775,79.713 124.775,80.635 125.152,81.013 125.425,81.013
V_PV on Top Layer "NONET_L-01_P-001" (solid, remove dead copper, pour order 160): 111.275,102.6 105.225,108.65 105.225,110.5 105.15,110.5 104.575,111.075 104.1,111.075 104.1,107.775 110.275,101.6 111.275,101.6
V_PV on Top Layer "V_PV_L01_P097" (solid, remove dead copper, pour order 97): 123.15,127.575 111.25,127.575 110.15,126.475 110.15,113.65 111.75,112.05 123.175,112.05 123.175,103.3 111.575,103.3 104.1,110.775 104.1,129.45 111.275,136.625 123.15,136.625
NetC12_1 on Top Layer "NONET_L-01_P-001" (solid, pour order 159): 129.6,78.837 129.6,80.95 129.225,81.325 129.225,82.425 130.3,82.425 130.3,79.575 131.038,78.837
GND on Top Layer "GND_L01_P003" (solid, remove dead copper, pour order 3): 123.202,127.225 111.4,127.225 110.475,126.3 110.475,114.025 112.1,112.4 123.168,112.4
V_5 on Top Layer "NONET_L-01_P-001" (solid, remove dead copper, pour order 135): 88.475,89.775 89.85,88.4 89.85,85.875 88.35,85.875 88.35,88.05 87.575,88.825 87.575,89.775
NetC72_2 on Top Layer "NONET_L-01_P-001" (solid, remove dead copper, pour order 136): 85.275,89.775 85.275,88.825 84.5,88.05 84.5,86.6 83.25,86.6 83.25,88.35 84.675,89.775
NetC21_1 on Top Layer "NONET_L-01_P-001" (solid, remove dead copper, pour order 123): 134.375,129.575 133.375,129.575 126.35,136.6 123.8,136.6 123.8,121.3 127.4,121.3 133.125,115.575 136.725,115.575 136.725,121.625 134.375,121.625
NetC12_1 on Top Layer "NONET_L-01_P-001" (solid, remove dead copper, pour order 157): 124.75,78.225 124.75,76.1 124.9,75.95 126.025,75.95 126.65,76.575 126.999,76.575
GND on Top Layer "NONET_L-01_P-001" (solid, remove dead copper, pour order 156): 89.25,112.275 89.6,112.625 92.45,112.625 93.675,111.4 93.675,110.725 93.15,110.2 88.45,110.2 87.2,111.45 87.2,112.275
GND on Top Layer "NONET_L-01_P-001" (solid, remove dead copper, pour order 155): 143,96.125 143,97.5 142.325,98.175 137.35,98.175 136.8,98.725 127.4,98.725 127.15,98.475 127.15,97.025 127.175,97 129.875,97 130.725,96.15 134.725,96.15
V_PVin on Top Layer "NONET_L-01_P-001" (solid, remove dead copper, pour order 151): 88.7,121.675 89.85,122.825 90.425,123.4 102.375,123.4 102.375,116.7 90.4,116.7 89.775,117.325 88.7,118.4
NetC22_1 on Top Layer "NETC22_1_L01_P096" (solid, pour order 96): 123.85,103.3 136.725,103.3 136.725,110.975 128.1,119.6 123.85,119.6
V_PV_BUCK12 on Top Layer "NONET_L-01_P-001" (solid, remove dead copper, pour order 133): 144.5,95.4 144.075,95.825 131.242,95.825 131.096,95.679 131.096,92.954 132.6,91.45 142.5,91.45 144.5,93.45
V_PV on Top Layer "NONET_L-01_P-001" (solid, remove dead copper, pour order 131): 123.825,102.6 135.275,102.6 138.7,99.175 144.05,99.175 144.6,98.625 144.6,96.75 143.1,96.75 143.1,97.775 142.6,98.275 137.95,98.275 134.625,101.6 110.275,101.6 111.275,102.6
NetC14_2 on Top Layer "NONET_L-01_P-001" (solid, remove dead copper, pour order 128): 116.475,97.4 106.2,97.4 105.825,97.025 105.825,95.6 107.25,94.175 116.475,94.175
NetC41_1 on Top Layer "NETC41_1_L01_P115" (solid, pour order 115): 130.456,94.034 122.281,94.034 122.106,94.209 122.106,97.434 122.306,97.634 125.306,97.634 126.531,96.409 129.731,96.409 130.456,95.684
NetL1_2 on Top Layer "NETL1_2_L01_P121" (solid, remove dead copper, pour order 121): 140.525,114.175 137.375,114.175 137.375,101.875 139.475,99.775 148.275,99.775
NetC22_1 on Top Layer "NETC22_1_L01_P120" (solid, remove dead copper, pour order 120): 136.725,109.626 136.725,114.925 132.125,114.925 131.85,115.2 131.85,112.272
NetL1_2 on Top Layer "NONET_L02_P-001" (solid, pour order 82): 139.475,114.175 139.475,99.775 148.275,99.775 148.275,114.175
GND on GND2 "NONET_L-01_P-001" (solid, remove dead copper, pour order 152): 21.375,134.2 21.375,111.25 39.625,111.25 39.625,96.95 35.75,93.075 21.375,93.075 21.375,72.85 22.7,71.525 28.625,71.525 30.925,73.825 139.925,73.825 142.25,71.5 147.675,71.5 149.05,72.875 149.05,139 149.075,139.025 148.475,139.625 21.425,139.625
isoGND on GND2 "NONET_L-01_P-001" (solid, remove dead copper, pour order 126): 21.631,95.819 ccw(c21.906,95.819) 21.906,95.544 31.531,95.544 ccw(c31.531,95.819) 31.806,95.819 31.806,108.494 ccw(c31.456,108.494) 31.456,108.844 21.906,108.844 ccw(c21.906,108.569) 21.631,108.569
NetC21_1 on GND2 "NETC21_1_L03_P098" (solid, remove dead copper, pour order 98): 123.825,136.625 129.75,136.625 129.75,127.5 128.65,126.4 126.125,126.4 125.725,126 125.725,123.35 125.275,122.9 124,122.9 123.825,123.075 123.825,124.35
NetC22_1 on GND2 "NETC22_1_L03_P099" (solid, remove dead copper, pour order 99): 123.799,112.775 129.25,112.775 129.25,102.65 128.725,102.125 125.9,102.125 125.699,101.924 125.699,100.409 123.799,100.409
NetC21_1 on Bottom Layer "NONET_L02_P-001" (solid, remove dead copper, pour order 150): 124.381,125.381 124.381,129.356 129.031,129.356 129.031,125.381
NetC22_1 on Bottom Layer "NONET_L02_P-001" (solid, remove dead copper, pour order 149): 124.225,103.15 124.225,107.125 128.875,107.125 128.875,103.15
GND on Bottom Layer "NONET_L02_P-001" (solid, remove dead copper, pour order 146): 114.209,127.902 118.184,127.902 118.184,123.252 114.209,123.252
NetC12_1 on Bottom Layer "NONET_L-01_P-001" (solid, remove dead copper, pour order 141): 127.188,78.325 124.575,78.325 124.575,75.75 126.938,75.75 127.213,76.025
NetC106_1 on Bottom Layer "NONET_L-01_P-001" (solid, remove dead copper, pour order 138): 129.1,81.099 129.525,80.525 129.525,79.35 128.775,78.6 128.775,77.561 128.489,77.275 127.475,77.275 127.475,78.425 126.134,78.425 125.793,78.607 124.775,79.625 124.775,80.548 125.152,80.925 125.326,81.099
isoGND on Bottom Layer "NONET_L-01_P-001" (solid, remove dead copper, pour order 127): 21.631,95.819 ccw(c21.906,95.819) 21.906,95.544 31.531,95.544 ccw(c31.531,95.819) 31.806,95.819 31.806,108.494 ccw(c31.456,108.494) 31.456,108.844 21.906,108.844 ccw(c21.906,108.569) 21.631,108.569
GND on Bottom Layer "NONET_L02_P-001" (solid, remove dead copper, pour order 25): 114.588,116.076 118.563,116.076 118.563,111.426 114.588,111.426
NetC46_2 on Bottom Layer "NONET_L-01_P-001" (solid, remove dead copper, pour order 158): 133.625,75.75 133.625,78.525 133.95,78.85 134.325,78.85 134.85,79.375 134.85,80.975 130.075,80.975 130,80.9 130,79.75 130.8,78.95 130.8,75.75
NetQ5_4 on Bottom Layer "NONET_L-01_P-001" (solid, remove dead copper, pour order 148): 125.325,110.5 125.325,110.9 125.8,111.375 128.125,111.375 128.25,111.5 128.25,112.8 123.8,112.8 123.8,110.5
NetQ4_4 on Bottom Layer "NONET_L-01_P-001" (solid, remove dead copper, pour order 147): 129.75,132.85 129.725,132.875 125.6,132.875 125.325,132.6 125.325,132 123.775,132 123.775,134.9 124.025,135.15 129.75,135.15
GND on Bottom Layer "NONET_L-01_P-001" (solid, remove dead copper, pour order 145): 127.8,77.15 128.85,77.15 128.85,75.825 127.8,75.825
no net on Top Solder "NONET_L-01_P-001" (solid, pour order 153): 114.85,121.85 118.75,125.75 120.725,125.75 120.725,114.875 118.525,114.875 114.85,118.55
V_PV on Top Solder "NONET_L-01_P-001" (solid): 117.625,131.975 110.15,131.975 109.325,131.15 109.325,109.15 110.05,108.425 117.625,108.425 117.625,105.6 110.375,105.6 107.15,108.825 107.15,131.85 109.8,134.5 117.625,134.5
NetC21_1 on Top Solder "NONET_L-01_P-001" (solid): 125.375,133.45 126.3,133.45 131.075,128.675 134.475,128.675 134.475,124.6 132.4,124.6 127.375,129.625 125.375,129.625
no net on Top Solder "NONET_L-01_P-001" (solid): 125.575,110.425 130.925,110.425 130.925,109.85 133.362,107.412 131.8,105.85 125.575,105.85
no net on Top Solder "NONET_L-01_P-001" (solid): 129.225,113.075 129.225,109.217 134.826,110.979 129.225,116.767
no net on Top Solder "NONET_L-01_P-001" (solid): 129.5,122.75 133.9,122.75 133.9,127.675 129.5,127.675
GND on GND1 "NONET_L-01_P-001" (solid, remove dead copper, pour order 154): 21.375,134.2 21.375,111.25 39.625,111.25 39.625,96.95 35.775,93.1 21.375,93.1 21.375,72.85 22.7,71.525 28.625,71.525 30.925,73.825 139.925,73.825 142.25,71.5 147.675,71.5 149.05,72.875 149.05,139 149.075,139.025 148.475,139.625 21.425,139.625
isoGND on GND1 "NONET_L-01_P-001" (solid, remove dead copper, pour order 125): 21.631,95.819 ccw(c21.906,95.819) 21.906,95.544 31.531,95.544 ccw(c31.531,95.819) 31.806,95.819 31.806,108.494 ccw(c31.456,108.494) 31.456,108.844 21.906,108.844 ccw(c21.906,108.569) 21.631,108.569

## Keep-outs
Top Layer:
  lines w0.1: 105.435,83.231 105.435,83.231 ; 105.437,135.442 105.437,135.442
Keep-Out Layer:
  lines w0.1: 110.435,83.231 105.435,83.231 105.435,84.431 110.435,84.431 ; 110.437,135.442 105.437,135.442 105.437,136.642 110.437,136.642
  lines w0.2: 21.375,134.61 cw(c21.376,134.61) 21.376,134.612 cw(c26.387,134.612) 26.387,139.622 26.376,139.622 ccw(c26.376,134.622) 21.376,134.622 ; 29.911,73.807 cw(c26.376,77.342) 21.376,77.342 21.377,134.618 cw(c26.377,134.618) 26.377,139.618 144.075,139.621 ; 29.925,73.815 140.5,73.815 ; 140.514,73.814 ccw(c144.05,77.35) 149.05,77.35 ; 144.052,139.618 cw(c144.052,134.618) 149.052,134.618 ; 149.05,77.325 149.05,134.618

## Other copper
Top Layer:
  rectangle net GND: 84.1,117.725 87.8,122.475
  rectangle net V_3V3D_ESP: 35.075,128.2 38.975,130.525
  rectangle net NetC75_1: 31.4,128.2 34.775,130.525
  region net VREF: 57.061,123.118 58.064,122.114 58.347,122.397 57.343,123.401
  region net NetC21_1: 130.298,127.048 131.2,127.95 130.051,129.099 129.149,128.197
  rectangle net NetC4_1: 140.975,122.85 148.3,126.425
  rectangle net NetC4_1: 141.45,122.85 148.3,125.975
  rectangle net NetC4_2: 137.375,114.85 148.325,121.65
  rectangle net NetC4_1: 136.025,122.85 148.3,129.45
  region net NetC26_1: 88.762,109.538 87.4,110.9 86.725,110.225 88.087,108.863
  region net NetC26_1: 87.4,110.9 87,111.3 86.75,111.05 87.15,110.65
  region net NetQ8_4: 121.65,123.1 121.65,121.55 123.2,121.55 123.2,123.1
  rectangle net NetQ4_4: 123.79,133.675 125.25,135.265
  region net NetQ9_4: 123.175,112.4 123.175,113.95 121.65,113.95 121.65,112.4
  rectangle net NetQ5_4: 123.85,109.7 125.35,111.2
GND2:
  rectangle net GND: 128.556,86.834 130.306,88.584
Bottom Layer:
  rectangle net V_5: 93.875,89.8 95.925,91.975
  rectangle net GND: 38.9,80.25 42.2,83.5
  rectangle net GND: 128.45,86.725 130.4,88.7
  region net NetQ9_4: 121.625,115.025 121.625,110.475 123.325,110.475 123.325,115.025
  region net NetC24_2: 117.638,116.076 117.638,113.801 118.338,113.801 118.338,116.076
  region net GND: 114.888,116.076 114.888,114.576 116.588,114.576 116.588,116.076
  region net NetC24_2: 116.788,114.576 117.463,113.901 118.188,114.626 117.513,115.301
  region net NetC24_2: 117.838,114.626 117.838,113.801 118.188,113.801 118.188,114.626
  region net GND: 115.738,115.201 115.738,114.301 116.588,114.301 116.588,115.201
  region net GND: 114.888,114.651 114.888,114.301 115.913,114.301 115.913,114.651
  region net GND: 114.738,113.301 114.738,112.401 116.588,112.401 116.588,113.301
  region net NetQ8_4: 123.2,126.825 121.65,126.825 121.65,121.525 123.2,121.525
  region net GND: 123.45,104.725 121.375,104.725 121.375,102.775 123.45,102.775
  region net NetC21_2: 127.075,128.925 124.9,128.925 124.9,128.125 127.075,128.125

## Silkscreen, mask and mechanical layers (free items; w line width, h text height)
Top Overlay:
  lines w0.2: 29.911,73.807 cw(c26.376,77.342) 21.376,77.342 21.377,134.618 cw(c26.377,134.618) 26.377,139.618 144.075,139.621 ; 29.925,73.815 140.5,73.815 ; 140.514,73.814 ccw(c144.05,77.35) 149.05,77.35 ; 144.052,139.618 cw(c144.052,134.618) 149.052,134.618 ; 149.05,77.325 149.05,134.618
  text "StarGate 450 V2" at 131.5,137.752 h2
  text "SPI/I2C GPIO" at 24.15,110.361 h1.02
  text "B2" at 59.325,104.6 h1.02
  text "B1" at 58.35,104.325 h1.02
  text "A2" at 57.1,103.85 h1.02
  text "A1" at 55.975,103.45 h1.02
  text "E2" at 54.825,103.175 h1.02
  text "E1" at 45.325,99.075 h1.02
  text "M.F.2021" at 134.5,74.281 h2.54
Top Solder:
  rectangle: 143.5,104.15 145.6,107.725
Mechanical 1:
  lines w0.1: 105.435,83.231 ccw(c105.435,83.231) 105.435,83.231 ; 105.435,83.231 105.435,84.431 ; 105.435,83.231 110.435,83.231 110.435,84.431 105.435,84.431 ; 105.435,84.431 ccw(c105.435,84.431) 105.435,84.431 ; 105.435,84.431 ccw(c105.435,84.431) 105.435,84.431 ; 105.437,135.442 ccw(c105.437,135.442) 105.437,135.442 ; 105.437,135.442 110.437,135.442 110.437,136.642 105.437,136.642 ; 105.437,135.442 105.437,136.642 ; 105.437,136.642 ccw(c105.437,136.642) 105.437,136.642 ; 105.437,136.642 ccw(c105.437,136.642) 105.437,136.642 ; 105.787,133.692 ccw(c105.787,133.692) 105.787,133.692
  lines w0.2: 26.387,139.622 26.376,139.622 ccw(c26.376,134.622) 21.376,134.622 ; 29.911,73.807 cw(c26.376,77.342) 21.376,77.342 21.377,134.618 cw(c26.377,134.618) 26.377,139.618 144.075,139.621 ; 29.925,73.815 140.5,73.815 ; 140.514,73.814 ccw(c144.05,77.35) 149.05,77.35 ; 144.052,139.618 cw(c144.052,134.618) 149.052,134.618 ; 149.05,77.325 149.05,134.618 ; 21.376,134.622 ccw(c21.376,134.622) 21.376,134.622

## Text inside footprints (layer, text, board x,y; h text height)
C75: Bottom Overlay "+" at 29.475,131.575 h1.5 r270
ESP_PROG: Top Overlay "6" at 60.564,81.957 h1.27; Top Overlay "5" at 60.564,79.417 h1.27; Top Overlay "2" at 51.42,81.957 h1.27; Top Overlay "1" at 51.928,79.417 h1.27
P2: Top Overlay "1" at 21.953,112.142 h1.27; Top Overlay "2" at 21.445,114.682 h1.27; Top Overlay "5" at 30.589,112.142 h1.27; Top Overlay "6" at 30.589,114.682 h1.27